# Altium PCB SS_Power-V3.0_2.PcbDoc
Units mil, origin at the board's own origin, x right, y up, seen from the top; angles counter-clockwise.
Board outline 1830.71 x 826.77 mil, 2 copper layers (Top Layer, Bottom Layer); 33 components, 40 nets, 144 pads, 118 vias.
Unrouted connection lines stored in the file: 3.
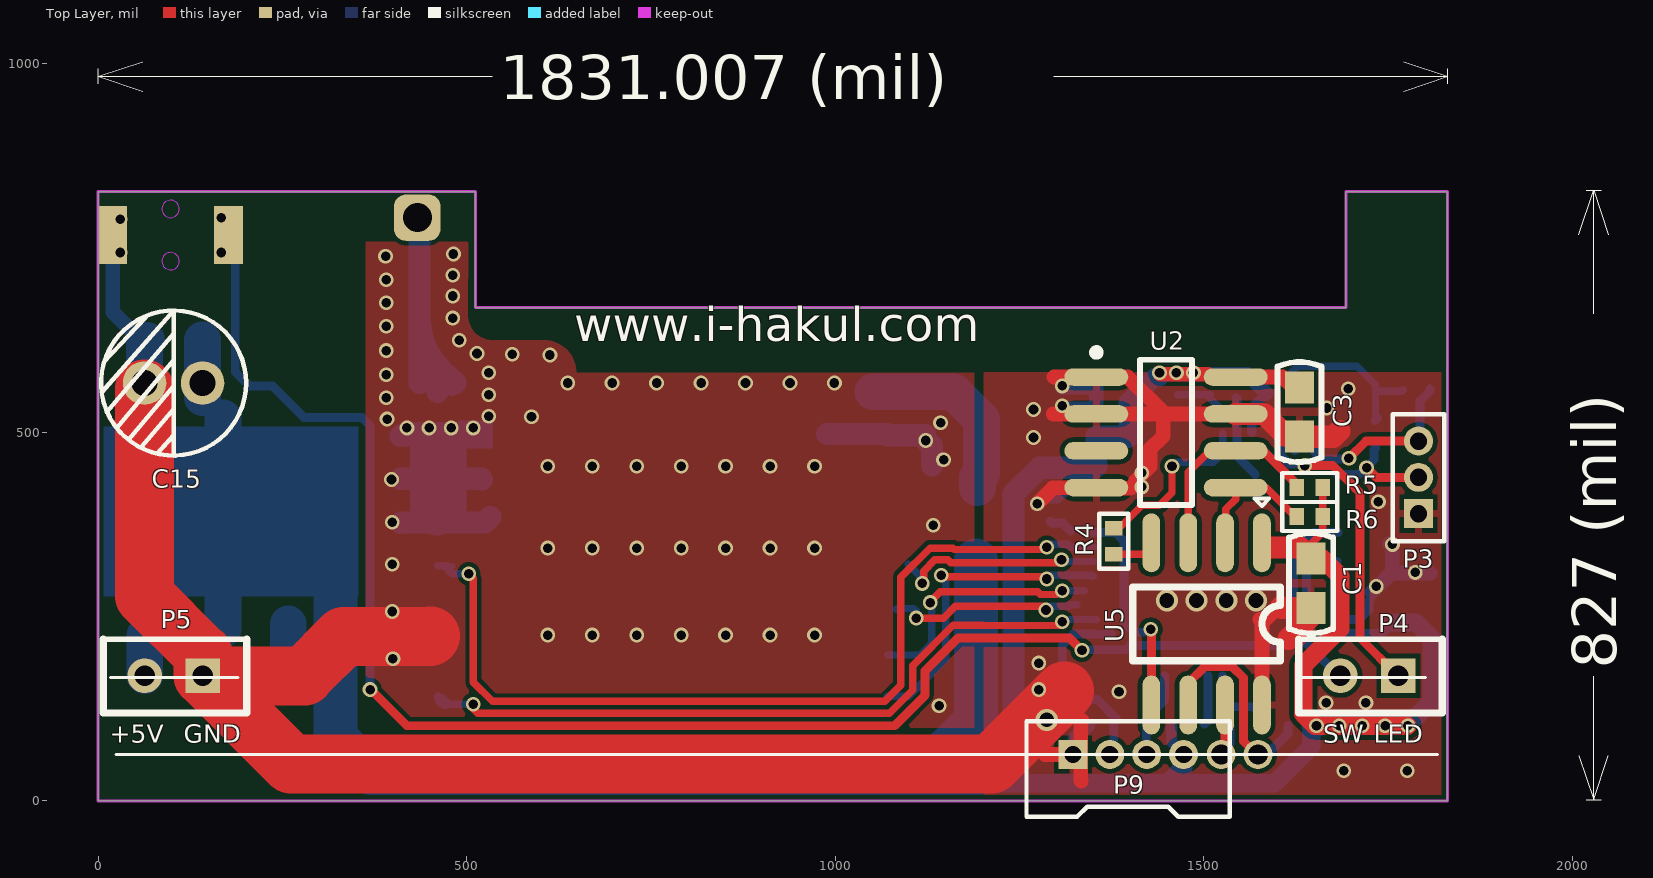
[diagram p0: Top Layer view]
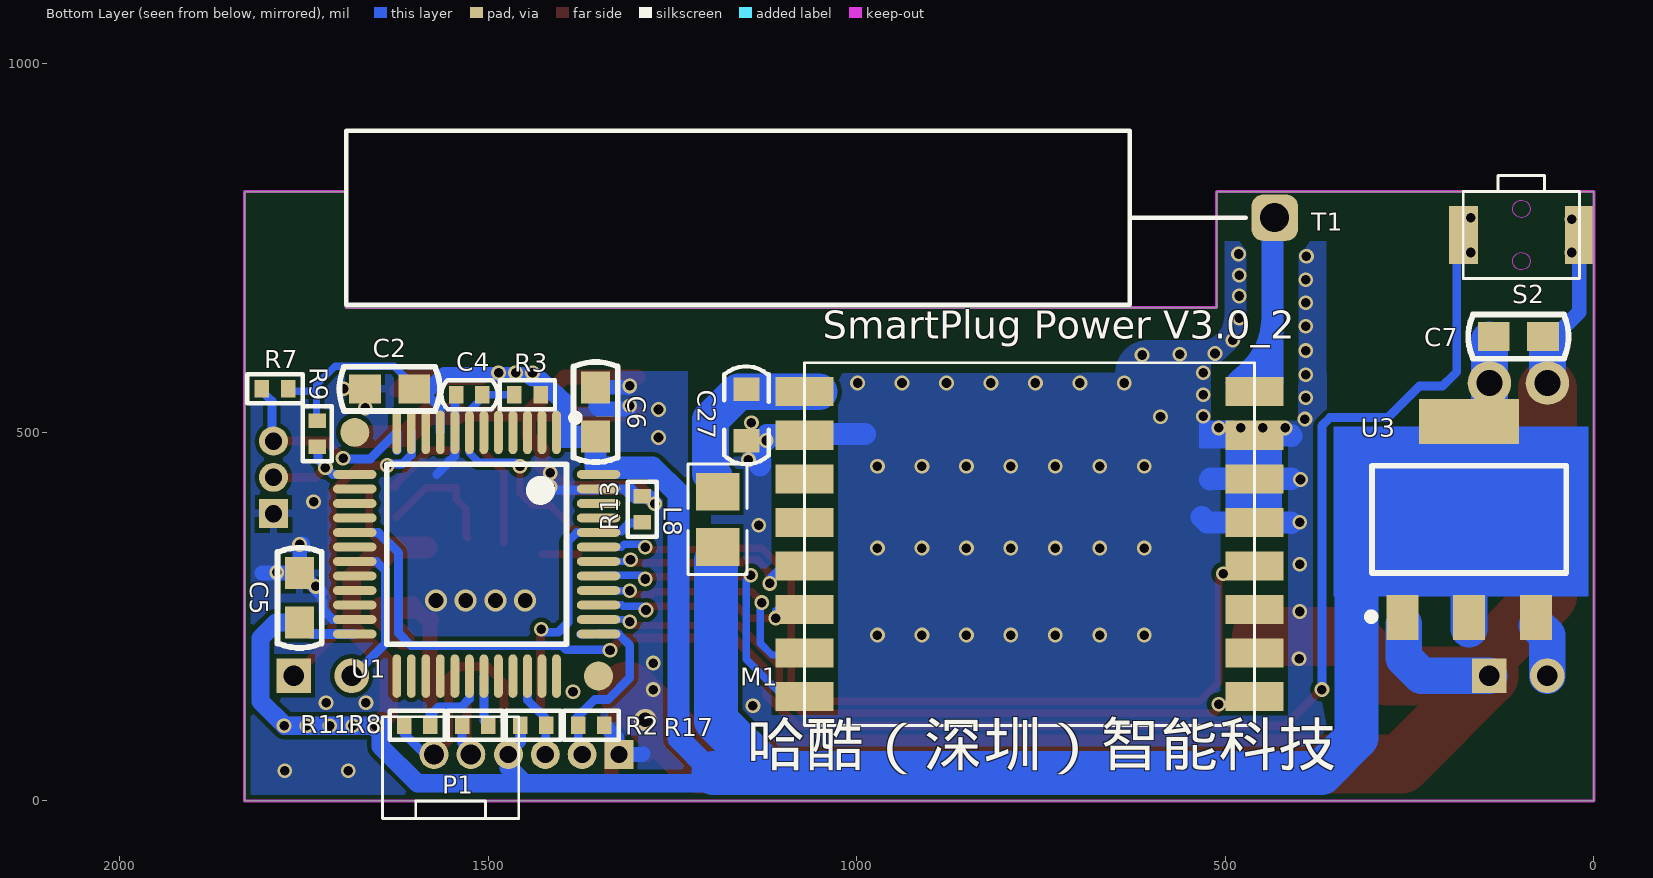
[diagram p1: Bottom Layer view, seen from below]

## Layer stack, top to bottom
Top Layer: signal copper 1.4
Dielectric: dielectric 12.6, FR-4, Dk 4.8
Bottom Layer: signal copper 1.4

## Board outline
0,0 0,826.77 511.81,826.77 511.81,669.29 1692.91,669.29 1692.91,826.77 1830.71,826.77 1830.71,0

## Design rules (kind name [scope] priority, off if disabled: settings)
Clearance [All] p1: gap=6
HoleToHoleClearance [All] p1: gap=6 allowstackedmicrovias=TRUE
MinimumSolderMaskSliver [All] p1: minsoldermaskwidth=6
PolygonConnect PolygonConnect_1 [IsVia] p1: connectstyle=Direct reliefconductorwidth=10 reliefentries=4 polygonreliefangle="90 Angle"
PolygonConnect [All] p2: connectstyle=Relief reliefconductorwidth=10 reliefentries=4 polygonreliefangle="90 Angle"
RoomDefinition SS_Power-V3.0 [InComponentClass('SS_Power-V3.0')] p1: confinementstyle=ConfineIn formatcopy=TRUE lockcomponents=FALSE outline -6927.36,-1275 -4927.36,-1275 -4927.36,-275 -6927.36,-275
RoutingVias [All] p1: holewidth=13 width=25 viastyle="Through Hole" minholewidth=13 minwidth=20 maxholewidth=28 maxwidth=50
SilkToSilkClearance [All] p1: silktosilkclearance=6
SilkscreenOverComponentPads SilkToSolderMaskClearance [IsPad] p1: minsilkscreentomaskgap=0
SolderMaskExpansion [All] p1: expansion=4
Width [All] p1: maxlimit=200 minlimit=10 preferedwidth=10
24 further rules are at their usual default settings.

## Components (designator, comment, footprint, x,y, rotation, side; value= is the part's Value field where it differs from the comment)
C1 "100nF" C-RAD-0603 1645.67,295.28 r90 top
C2 "100nF" C-RAD-0603 1633.86,559.06 r180 bottom
C3 "100nF" C-RAD-0603 1629.92,527.56 r270 top
C4 "1nF" C0402 1543.31,551.18 r180 bottom
C5 "100nF" C-RAD-0603 1755.91,275.59 r270 bottom
C6 "100nF" C-RAD-0603 1354.33,527.56 r270 bottom
C7 "100nF" C-RAD-0603 102.36,629.92 r0 bottom
C15 "470uF/25V" C-RB-5/2 102.36,566.93 r180 top
C27 "Comment" C0603 1149.61,523.62 r90 bottom
L8 "BLM21PG221SN1" 0805-1 1188.98,381.89 r90 bottom
M1 "Si4438" HPD01 460.63,102.36 r0 bottom locked
P1 "Header 2" hdr1.27x2_host 1523.62,62.99 r0 bottom
P3 "Header 3" HDR3X1/1.25 1791.34,389.76 r90 top
P4 "Header 2" HDR2X1_2.0 1763.78,169.29 r0 top
P5 "Header 2" HDR2X1_2.0 141.73,169.29 r0 top
P9 "Header 4" HDR4X1/1.25B2M 1397.64,62.99 r0 top
R2 "10K" R0402 1456.69,102.36 r180 bottom
R3 "10K/5%" R0402 1464.57,551.18 r180 bottom
R4 "10K" R0402 1377.95,334.65 r90 top (schematic designator R6)
R5 "10K" R0402 1625.98,425.2 r0 top
R6 "10K" R0402 1625.98,385.83 r0 top
R7 "10K" R0402 1771.65,559.06 r0 bottom
R8 "10K" R0402 1535.43,102.36 r180 bottom (schematic designator R6)
R9 "10K" R0402 1732.28,515.75 r270 bottom
R11 "10K" R0402 1614.17,102.36 r180 bottom (schematic designator R6)
R13 "10K/5%" R0402 1291.34,413.39 r270 bottom
R17 "10K" R0402 1377.95,102.36 r180 bottom
S2 "SW-PB" swich_micro 19.69,826.77 r0 bottom (schematic designator S1)
T1 "ANT" ANT470 433.07,791.34 r0 bottom
U1 "STM32F030C8T6" LQFP48_7X7X05P 1515.75,334.65 r270 bottom locked
U2 "AT24C512" SOIC8_N 1448.82,500 r0 top
U3 "ASM1117" SOT-223 169.29,381.89 r180 bottom
U5 "HC89F0411P" SO-8 1503.94,240.16 r270 top

## Footprints (in the part's own frame and the unit in brackets; to place one, negate y for a bottom-side part, rotate by r counter-clockwise, add the part's x,y. Pads: shape width x height; smd on the part's side, far side on the other; paste and mask are expansions set on the pad)
0805-1 [mm] "贴片带丝印"
  rect 1.3x1.5 smd: 1(-0.95,0) 2(0.95,0)
  silkscreen extent -1.91,-1.02 1.91,1.02, body extent -1.14,-0.51 1.14,0.51, height 1
ANT470 [mm]
  rrect50% 1.6x1.6 hole 1: 1(0,0)
  silkscreen extent 1,-3 32,3
C0402 [mm] "贴片电容"
  rect 0.5x0.6 smd: 1(0,0) 2(0.9,0)
  silkscreen extent -0.51,-0.5 1.43,0.5
C0603 [mm] "贴"
  rect 0.8x0.9 smd: 1(-0.889,0) 2(0.889,0)
  silkscreen extent -1.7,-0.76 1.67,0.76, body extent -0.75,-0.39 0.85,0.41, height 0.45
C-RAD-0603 [mm] "贴片电容"
  rect 1.1x1 smd: 1(-0.85,0) 2(0.85,0)
  silkscreen extent -1.73,-0.76 1.73,0.76, body extent -1.14,-0.38 1.14,0.38, height 1
C-RB-5/2 [mm] "插件电解电容"
  round 1.5 hole 0.9: 1(-1,0) 2(1,0)
  silkscreen extent -2.5,-2.5 2.5,2.5
hdr1.27x2_host [mm]
  round 1 hole 0.7: 1(0,0) 2(1.27,0)
  silkscreen extent -1.65,-1.3 3.05,2.2
HDR2X1_2.0 [mm]
  rect 1.2x1.2 hole 0.7: 1(0.006,0.012)
  round 1.2 hole 0.7: 2(-1.994,0.012)
  silkscreen extent -3.43,-1.27 1.52,1.27
HDR3X1/1.25 [mm]
  rect 1x1 hole 0.6: 1(0,0)
  round 1 hole 0.6: 2(1.25,0) 3(2.5,0)
  silkscreen extent -0.96,-0.89 3.43,0.89
HDR4X1/1.25B2M [mm]
  rect 1x1 hole 0.6: 1(-1.905,0)
  round 1 hole 0.6: 2(-0.635,0) 3(0.635,0) 4(1.905,0)
  silkscreen extent -3.51,-2.15 3.49,1.15
HPD01 [mm]
  rect 2x1 smd: 1(15.5,-11.5) 2(15.5,-10) 3(15.5,-8.5) 4(15.5,-7) 5(15.5,-5.5) 6(15.5,-4) 7(15.5,-2.5) 8(15.5,-1) 9(0,-1) 10(0,-2.5) 11(0,-4) 12(0,-5.5) 13(0,-7) 14(0,-8.5) 15(0,-10) 16(0,-11.5)
  silkscreen extent 0,-12.5 15.5,0
LQFP48_7X7X05P [mm]
  oval 1.5x0.3 smd: 1(-4.2,2.75) 2(-4.2,2.25) 3(-4.2,1.75) 4(-4.2,1.25) 5(-4.2,0.75) 6(-4.2,0.25) 7(-4.2,-0.25) 8(-4.2,-0.75) 9(-4.2,-1.25) 10(-4.2,-1.75) 11(-4.2,-2.25) 12(-4.2,-2.75) 25(4.2,-2.75) 26(4.2,-2.25) 27(4.2,-1.75) 28(4.2,-1.25) 29(4.2,-0.75) 30(4.2,-0.25) 31(4.2,0.25) 32(4.2,0.75) 33(4.2,1.25) 34(4.2,1.75) 35(4.2,2.25) 36(4.2,2.75)
  oval 0.3x1.5 smd: 13(-2.75,-4.2) 14(-2.25,-4.2) 15(-1.75,-4.2) 16(-1.25,-4.2) 17(-0.75,-4.2) 18(-0.25,-4.2) 19(0.25,-4.2) 20(0.75,-4.2) 21(1.25,-4.2) 22(1.75,-4.2) 23(2.25,-4.2) 24(2.75,-4.2) 37(2.75,4.2) 38(2.25,4.2) 39(1.75,4.2) 40(1.25,4.2) 41(0.75,4.2) 42(0.25,4.2) 43(-0.25,4.2) 44(-0.75,4.2) 45(-1.25,4.2) 46(-1.75,4.2) 47(-2.25,4.2) 48(-2.75,4.2)
  round 1 smd: 49(-4.2,-4.2) 50(4.2,4.2)
  silkscreen extent -4.82,-3.1 3.1,3.52
R0402 [mm]
  rect 0.5x0.6 smd: 1(0,0) 2(0.9,0)
  silkscreen extent -0.5,-0.5 1.4,0.5
SO-8 [mil]
  oval 80x24 smd: 1(-110,75) 2(-110,25) 3(-110,-25) 4(-110,-75) 5(110,-75) 6(110,-25) 7(110,25) 8(110,75)
  silkscreen extent -170,-100 50,100
SOIC8_N [mm] "8-Pin Small Outline Integrated Circuit Package (SOIC8), IPC Medium Density"
  oval 2.2x0.6 smd: 1(-2.4,1.905) 2(-2.4,0.635) 3(-2.4,-0.635) 4(-2.4,-1.905) 5(2.4,-1.905) 6(2.4,-0.635) 7(2.4,0.635) 8(2.4,1.905)
  silkscreen extent -2.52,-2.5 0.9,2.88, body extent -1.95,-2.45 1.95,2.45, height 1.75
SOT-223 [mm]
  rect 1.1x1.55 smd: 1(-2.3,-3.375) 2(0,-3.375) 3(2.3,-3.375)
  rect 3.45x1.55 smd: 4(0,3.375)
  silkscreen extent -3.5,-3.48 3.35,1.85, body extent -3.3,-3.94 3.3,3.43, height 0.8
swich_micro [mm]
  rect 1x2 all layers, no hole: 1(0,1.5) 2(4,1.5)
  Keep-Out Layer circle w0.025: c2,2.4 r0.3
  Keep-Out Layer circle w0.025: c2,0.6 r0.3
  silkscreen extent 0,-0.55 4,3

## Part data
C1 C2 C3 C4 C5 C6 C7: library part Cap, "无极性电容"
C15: library part CAP3, "电解电容"
L8: library part Inductor, "电感"
M1: library part SI4438-HPD07, "SI4438ģ"
P1 P3 P4 P5 P9: "接插件"
R2 R3 R4 R5 R6 R7 R8 R9 R13 R17: library part Res1, "电阻"
R11: library part Res1, "电"
S2: "微动开关"
T1: "470M弹簧天线"
U1: "MCU"
U2: library part AT24C02, "EEROM存储器"
U5: "芯圣8脚51单片机"

## Via types
v1: diameter 20, hole 13, Top Layer to Bottom Layer, 113 vias
v2: diameter 30, hole 20, Top Layer to Bottom Layer, 5 vias

## Nets (pads, with @x,y where several pads share a name; then routed paths per layer and width w, separated by ;. In a path a pad name is that pad's centre, name@x,y a point inside that pad or via, vN(x,y) a via of type N, cw(c..) or ccw(c..) an arc to the next point about the centre after c; other vN are vias at no path point)
1TOUCH: S2.2 U1.17 | length 2296.2
  Top Layer w12: v1@369.5,151.5 419,102 1080.67,102 1122,143.33 1122,176.33 1166.86,221.19 1192.77,221.19 1192.96,221 1317.11,221 1317.3,221.19 1317.81,221.19 v1@1334,205 ; v1@1334.1,205.1 v1(1334.82,204.38)
  Bottom Layer w12: S2.2@179,794 S2.2@181,792 ; S2.2@181,746 S2.2@181,767.72 ; S2.2@186,746 186,582 189.5,578.5 205,563 236.45,563 279.45,520 357.97,520 369,508.97 v1@369,156 ; v1@1335,204.38 v1(1334.82,204.38) v1@1335.44,205 ; v1@1335,205 v1@1335.44,205 ; U1.17@1679,364.17 U1.17 ; U1.17@1682,364 1649,364 1621.57,336.57 1621.57,227.57 1604.82,210.82 1400.06,210.82 1394.24,205 v1@1335.44,205
  other v1: 369,151 167,744 167,791
+3V3: C1.2 C2.2 C3.1 C5.2 C6.2 C7.2 C15.1 L8.1 P9.4 R2.1 R3.2 R5.2 R6.2 R7.1 R9.1 U1.1 U1.9 U1.24 U1.48 U2.8 U3.2 U5.1 | length 4643.6
  Top Layer w10: C1.2@1645,330 1647,332 1647,350 1661.42,364.42 R6.2 R5.2
  Top Layer w20: v1@1441,579 1505,579 1510,574 1567,574 U2.8@1568,575 ; U2.8 1607,575 C3.1@1625,557
  Top Layer w25: C1.2 1661.26,328.74 1685,305 1685,233.64 1635,183.64 1635,118 1651,102 v1(1653,102) v1(1684,102) v1(1715,102) v1(1746,102) v1@1776,102
  Top Layer w30: U5.1@1584,344 1630.41,344 C1.2
  Bottom Layer w10: C2.2@1610,572 1627.74,589.74 1708.03,589.74 1733,564.77 1733,563 1733,556 ; R9.1@1733,517 1733,556 ; R7.1@1771,558 1769,556 1733,556
  Bottom Layer w12: R9.1 R9.1@1736,519.46
  Bottom Layer w13: U1.9 1564.96,532.96 C2.2@1585,553 ; U1.24 1740.38,226.38 1756,242 C5.2@1757,243
  Bottom Layer w15: R2.1@1456,101 1456,79.63 P9.4
  Bottom Layer w20: 1397.09,499.91 1398,499 ; v1@1440,575 1440.99,578.99 1486,578.99 1559.78,578.99 ; 1564.96,574.04 1573,566 ; 1569.15,568.85 C2.2@1585,553
  Bottom Layer w25: 1208,24 1451,24 ; 1397.09,499.91 1397.09,541.09 1434,575 v1@1440,575 ; P9.4@1472,45 1451,24 ; v1@1645,102 v1(1653,102) ; v1@1653,103 v1(1653,102) ; v1@1658,102 v1@1656,102 ; C5.2@1752,242 1756,242 1788,242 1809,221 1809,135 1776,102 v1(1746,102) v1(1715,102) v1(1684,102) v1@1656,102 ; 1451,24 1586,24 1596,24 1646,74 1646,92 v1@1653,99 ; v1@1653,99 v1@1656,102 ; v1@1653,99 v1(1653,102) ; v1(1653,102) v1@1656,102
  Bottom Layer w30: 1199,42 1242,85 1242,417 1277,452 1319,452 1352,452 1354.33,454.33 C6.2 1397.09,494.09 1397.09,499.91
  Bottom Layer w50: C15.1@141.73,547.27 C7.2@141.73,625.27 ; U3.2@169.29,233.27 169.29,337 ; 169.29,439 169.29,519.71
  Bottom Layer w60: 322,323 322,85.97 370,37.97 1119.97,37.97 ; L8.1@1191,326 1191,109 1119.97,37.97 ; 1194.03,37.97 1119.97,37.97
  other v1: 1777,102 1440,581 1463,581 1486,581
+5VCC: P5.2 U3.3 | length 73.9
  Bottom Layer w50: P5.2 63.24,224.24 U3.3@77,238
BOOT: R13.2 U1.44 U5.5 | length 335.6
  Top Layer w12: v1(1428,233) 1429,232 1429,133 U5.5@1429,130.16
  Bottom Layer w12: R13.2@1292,379 1294,377 1308.87,377 ; 1308.87,376.44 1319.35,365.95 ; U1.44 1379.65,364.17 1391.92,351.9 1391.92,241.9 1401.41,232.41 1405,228.82 1423.82,228.82 v1(1428,233)
FSK_AD: U1.18
FSK_IO: U1.26
FSK_OUT: U1.16
G_LED: P4.1 U1.11 | length 432.9
  Top Layer w12: v1@1635,455 v1@1635,456 ; v1@1637,454 v1(1637,455) 1675,455 1706,424 1710,420 1712,418 1712,221 P4.1@1763,170 ; P4.1@1763.5,170.5 P4.1@1764,170
  Bottom Layer w12: U1.11 1604.33,469.21 1616.56,456.98 1635.02,456.98 v1(1637,455) v1@1638,454
GND: C1.1 C2.1 C3.2 C4.1 C5.1 C6.1 C7.1 C15.2 C27.1 M1.2 M1.13 M1.14 M1.15 P3.1 P5.1 P9.1 R13.1 R17.2 S2.1 U1.8 U1.23 U1.47 U2.1 U2.2 U2.4 U2.7 U3.1 U5.8 | length 4953.2
  Top Layer w20: v1(1274,403) 1293,422 ; 1283,65 1285.01,62.99 P9.1@1333.07,62.99 ; 1295,425 U2.4 ; 1296,525 U2.2 ; 1297,575 U2.1 1397,575 1445,527 1445,525 ; 1334,27 1333.07,27.93 P9.1@1333.07,62.99 ; 1335,109 1333.07,107.07 P9.1@1333.07,62.99 ; U2.4@1353,424 1400,424 1407,431 1407,433.7 1427,453.7 1427,477 1445,495 1445,525 ; U2.2@1359,525 1445,525 ; U2.7 1445,525 ; 1576,246 1578.94,243.06 U5.8 ; 1579,241 1599.81,261.81 1606.19,261.81
  Top Layer w30: U2.7 1582,525 1612,495 1631,495 C3.2@1631.91,494.09 ; 1605,263 1606.19,261.81 C1.1 1645.67,250.67 1615,220 ; C3.2 C3.2@1631.91,494.09 ; C3.2@1632,494 C3.2@1631.91,494.09 ; 1684,502 1676.09,494.09 C3.2@1631.91,494.09
  Top Layer w80: C15.2@62.99,559 62.99,278.01 141.98,199.02 ; P5.1@143,169 P5.1@143,169.75 ; 451,224 450,223 333,223 279.75,169.75 P5.1@143,169.75 ; 1311,149 1212,50 261.73,50 P5.1 ; P5.1 141.98,199.02 ; P5.1 P5.1@143,169.75 ; P5.1 P5.1@143,170.76 ; 141.98,199.02 143,198 P5.1@143,170.76 ; P5.1@143,169.75 P5.1@143,170.76
  Bottom Layer w12: 1314.23,423.23 U1.47 1351.62,422 1413,422 v1@1417,426 ; C4.1@1543.55,547 1544,547 C4.1@1545,546 ; U1.8@1545,477 C4.1@1545,546 ; 1570,443 1557,456 1557,456.11 1545.28,467.84 U1.8 1545.28,545.72 C4.1@1545,546 ; U1.23 1711.06,246.06 1724.22,259.22 1724.22,271.53 1727,274.31 1727,279
  Bottom Layer w20: S2.1@19.69,789 19.69,663.32 C7.1@62,621 ; v1@1275,405 1283.39,413.39 R13.1 1300.39,413.39 1308,421 1309,421 ; 1290,64 1291.01,62.99 P9.1 P9.1@1323,62.99 ; v1@1310,531 1310.75,531.75 1351,531.75 1354.33,535.08 C6.1 v1@1310.02,561.02 ; P9.1@1323,66 1325,68 1325,84.84 1333.07,92.91 R17.2 ; 1728,283 1732,287 1754.06,309.06 C5.1 ; v1@1752,349 1755.91,345.09 C5.1 ; 1807,309 1806.94,309.06 C5.1
  Bottom Layer w30: 410,377 410.95,377.95 M1.13 524.95,377.95 532,385 ; 410.01,437.01 M1.14 519.99,437.01 521,436 ; 410,495 411.06,496.06 M1.15 ; 989,498 1070.87,498 M1.2 v1@1122,496.06 ; v1@1122,491 1131.24,481.76 1131.24,455
  Bottom Layer w50: C15.2@62.99,570 62.99,621.99 C7.1@66,625 ; P5.1 233.75,169.75 258,194 U3.1@258,240 ; M1.13@460,385 ccw(c458.48,386.52) 460.63,386.52 M1.14 M1.15@460.63,485
  other v1: 1690,41 1776,41 1141,129 1666,133 1720,133 1385,148 1276,151 1276,187 400,193 610,225 670.33,225 730.67,225 791,225 851.33,225 911.67,225 972,225 399,257 1734,291 1787,310 399,321 610,343 670.33,343 730.67,343 791,343 851.33,343 911.67,343 972,343 1756,348 1133,374 399,378 1737,406 1416,426 398,436 1416,445 610,454 670.33,454 730.67,454 791,454 851.33,454 911.67,454 972,454 1147,463 1123,489 1269,493 419,506 449,506 479,506 509,506 1143,513 392,518 588,521 530,522 1269,531 1667,533 1308,536 391,547 530,551 1696,559 1308,563 637,567 697.33,567 757.67,567 818,567 878.33,567 938.67,567 999,567 391,578 530,581 613,605 562,606 514,607 391,611 490,625 391,644 481,655 391,676 481,685 391,707 481,713 390,739 482,742 30,744 30,789
  other v2: 1287,110 1450,272 1490.33,272 1530.67,272 1571,272
NetC24_2: 
NetC30_2: 
NetU4_16: 
NetU4_17: 
OB1_SW: P4.2 U1.19 | length 209
  Bottom Layer w12: U1.19 1651.8,324.8 1639.57,312.57 1639.57,213.43 P4.2@1682,171
  Bottom Layer w15: P4.2@1683.02,172.02 P4.2
PWM: U1.14
R\E\S\E\T\: C4.2 R3.1 R4.1 U1.7 U5.4 | length 308.5
  Top Layer w10: R4.1 1426.65,334.65 U5.4@1427,335 ; 1416,401 1440,401 1457,418 1457,430 v1(1457,454)
  Bottom Layer w10: v1(1457,454) 1462.47,459.47 1512.91,459.47 1526,472.56 U1.7@1526,499 ; R3.1 C4.2 C4.2@1508.82,551.18 ; C4.2@1505.85,549.15 U1.7@1525.59,529.41
RF: M1.16 T1.1 | length 416.1
  Bottom Layer w20: 440,681 440,730 ; M1.16@480,559 M1.16@483.99,562.99
  Bottom Layer w30: T1.1@433,784 T1.1@434,784 ; T1.1@434,789.8 T1.1@434,784 ; M1.16@436,567 436,656.42 ; 450,582 cw(c424.34,556.34) 460.63,556.34 M1.16 ; M1.16@485,567 479.71,572.29 ccw(c478,570.59) 478,573 465.29,585.71 cw(c536,656.42) 436,656.42 ; T1.1@434,784 436,784 436,656.42
RF1: 
RF2: 
RF3: 
RF4: 
RF5: 
RF6: 
RF7: 
RXD1: P1.1 R8.1 R8.2 U1.31 U5.7 | length 180.9
  Top Layer w12: P1.1@1523,63 1528.94,68.94 U5.7
  Bottom Layer w12: R8.2@1501,104 1505.91,108.91 U1.31 ; P1.1@1522,64 1535.43,77.43 R8.1
RXD2: P3.2 R9.2 U1.13 | length 150.8
  Top Layer w12: v1(1721,452) 1734.02,438.98 P3.2
  Bottom Layer w12: U1.13 1710.91,442.91 1731,463 1731,477 R9.2@1733,479
SCL: R5.1 U2.6 U5.3 | length 242.6
  Top Layer w10: U5.3 1478.94,445.94 U2.6@1508,475
  Top Layer w12: U2.6 1581,475 1627,429 R5.1@1627,426
SDA: R6.1 U2.5 U5.2 | length 172.6
  Top Layer w10: U5.2@1528,357 1530,359 1530,396 1543.31,409.31 U2.5 1585,425 R6.1@1625,385
SI4438_NIRQ: M1.5 U1.42 | length 284
  Top Layer w10: v1@1120,296 1120,311.7 1135.3,327 1152.7,327 1156.7,323 v1@1303,323
  Bottom Layer w10: M1.5@1099,321 1118,302 v1(1118,295) ; v1@1307,324.8 U1.42
  other v1: 1307,327
SI4438_SDN: M1.12 U1.43 | length 1257.7
  Top Layer w10: v1(503,308) 509,302 509,161 535,135 1067,135 1089,157 1089,303.33 1128.67,343 1159.33,343 1161.33,341 1253,341 ; 1271,341 1253,341 ; v1@1289,344 1286,341 1253,341
  Bottom Layer w10: M1.12 471.1,318.9 cw(c471.1,276) M1.12@480.04,317.96 ; M1.12@470,318 480,308 v1(503,308) ; v1(1287,344) 1286.96,343.96 1286.76,343.96 1286.7,344.02 1286.7,346.7 1288,348 1315.7,348 1319.7,344 U1.43@1334,344 ; U1.43@1334,344.49 U1.43
SI4438_SPI1_MISO: M1.7 U1.40 | length 340.7
  Top Layer w10: v1@1129,270 1142.65,283.65 1265,283.65 1274.65,283.65 1278.3,280 1301,280 v1@1307,286
  Bottom Layer w10: M1.7@1071,198 1115,198 1131,214 1131,268 1130,269 v1(1129,269) ; v1(1308,285) U1.40@1338,285
SI4438_SPI1_MOSI: M1.8 U1.41 | length 414.3
  Top Layer w10: v1@1146,304 v1@1284,304
  Bottom Layer w10: M1.8 1099.73,141.73 1150,192 1150,300 v1@1149,301 ; v1@1286,302 v1(1287,301) 1292,306 1321.67,306 U1.41@1349,306 ; U1.41@1349,305 1350.28,305 U1.41
  other v1: 1144,306
SI4438_SPI1_NSS: M1.9 U1.38 | length 989.9
  Top Layer w10: v1(509,131) 507,129 505,129 515,119 1073.63,119 1105,150.37 1105,183.37 1159.81,238.19 1199.81,238.19 1200,238 1304,238 v1@1309,243
  Bottom Layer w10: M1.9 ccw(c472.68,141.73) M1.9@472.68,129.69 ; M1.9@467,140 476,131 v1(509,131) ; v1@1309.04,246.04 U1.38@1350.39,246.04 ; U1.38@1354,246 U1.38@1353.96,246.04
  other v1: 1308,243
SI4438_SPI1_SCK: M1.6 U1.39 | length 264
  Top Layer w10: v1@1110,247 v1@1111,248 ; v1(1110,248) v1@1111,248 ; v1@1282,264 1163,264 1147,248 v1@1111,248
  Bottom Layer w10: M1.6@1083,260 1084,261 1107,261 1110,258 v1(1110,248) ; v1@1286,258 1292,264 1316.7,264 1318.7,266 U1.39@1328,266
  other v1: 1286,259
SWCLK: P9.2 R17.1 U1.37 | length 264.8
  Bottom Layer w12: U1.37 1323.38,226.38 1308,211 1308,166.88 1337.27,137.61 1355.39,137.61 1382,111 1378,107 R17.1@1378,103 ; U1.37@1357,226 U1.37@1375,226 ; P9.2@1370,60 1377.95,67.95 R17.1 ; P9.2@1383,66 P9.2@1384,65
SWDIO: P9.3 R2.2 U1.34 | length 115.6
  Bottom Layer w12: P9.3@1422,64 1422,112 1446.85,136.85 U1.34
SYNC_SG1: U1.21
TXD1: P1.2 R11.1 R11.2 U1.30 U5.6 | length 436.7
  Top Layer w12: U5.6@1478,131.09 U5.6 ; U5.6@1478.94,109.06 U5.6 ; P1.2@1575,60 1554,81 1554,167.04 1538.88,182.16 1501.16,182.16 1478.94,159.94 U5.6
  Bottom Layer w12: U1.30 1525.59,138.41 1536.24,127.76 1561,127.76 ; 1567,127.76 1561,127.76 ; P1.2@1574,66 1589,66 1614.17,91.17 R11.1 ; R11.2@1579,100 1580,101 1580,115 1567.24,127.76 1561,127.76
TXD2: P3.3 R7.2 U1.12 | length 300.8
  Top Layer w12: v1(1697,465) 1720.19,488.19 P3.3 1790.53,489 P3.3@1792,489
  Bottom Layer w12: U1.12@1624,497 U1.12 ; U1.12@1624.02,474.98 U1.12 1660.02,464 v1@1698,464 ; P3.3 1793.5,490.35 1793.5,542.5 R7.2@1807,556 ; R7.2@1807.09,556 R7.2
V_RF: C27.2 L8.2 M1.1 | length 257.4
  Bottom Layer w50: M1.1@1051,555 1160.53,555 1198.32,517.21 1198.32,443.85 1193,438.52 L8.2@1193,425
pads on no net: M1.3 M1.4 M1.10 M1.11 R4.2 U1.2 U1.3 U1.4 U1.5 U1.6 U1.10 U1.15 U1.20 U1.22 U1.25 U1.27 U1.28 U1.29 U1.32 U1.33 U1.35 U1.36 U1.45 U1.46 U1.49 U1.50 U2.3 U3.4
copper on no net: | length 50.7
  Top Layer w10: 1379,368 1383,368 1409,394 1416,401

## Polygon pours and split planes (outlines as drawn)
GND on Bottom Layer "Top Layer-No Net" (solid, remove dead copper, pour order 1001): 483,759 483,654 ccw(c532,654) 532,605 554,605 cw(c554,549) 610,549 682,549 ccw(c682,571) 704,571 ccw(c694,571) 694,581 649,581 ccw(c605,581) 605,625 534,625 cw(c534,658) 501,658 501,659 501,759
GND on Bottom Layer "Top Layer-No Net" (solid, remove dead copper, pour order 1000): 363,759 489,759 489,650 ccw(c525,650) 525,614 580,614 589,614 cw(c589,545) 658,545 cw(c657,545) 657,544 363,544
GND on Bottom Layer "Top Layer-No Net" (solid, remove dead copper, pour order 1001): 1855.42,582.99 1229.17,582.99 1229.17,278.99 1229.17,-17.01 1842.76,-17.01 1855.42,-17.01 1855.42,581.99
GND on Bottom Layer "Top Layer-No Net" (solid, remove dead copper, pour order 1000): 699.24,580 1197.24,580 1197.24,34 1197.24,21 352.24,21 362.24,21 362.24,583 362.24,580 699.24,580
GND on Bottom Layer "Top Layer-No Net" (solid, remove dead copper, pour order 1001): 570,617 570,515 368.05,515 363,515 363,617 570,617
GND on Top Layer "Top Layer-No Net" (solid, remove dead copper, pour order 1000): 1189,98 1189,581 410,581 363,581 363,191 363,99 1189,99
GND on Top Layer "Top Layer-No Net" (solid, remove dead copper, pour order 1003): 473.78,758.43 cw(c473.78,756.43) 475.78,756.43 475.78,572.43 cw(c476.78,572.43) 476.78,573.43 648.78,573.43 648.78,580.43 ccw(c603.78,580.43) 603.78,625.43 534.78,625.43 cw(c534.78,658.43) 501.78,658.43 501.78,757.43 ccw(c500.78,757.43) 500.78,758.43
GND on Top Layer "Top Layer-No Net" (solid, remove dead copper, pour order 1002): 363.37,556.74 363.37,758.47 473.71,758.47 489,758.47 489,542
GND on Top Layer "Top Layer-No Net" (solid, remove dead copper, pour order 1003): 1202.6,581.33 1858.6,581.33 1858.6,145.33 1858.6,-28.67 1201.6,-28.67 1201.6,582.33

## Keep-outs
Keep-Out Layer:
  lines w3.94: 511.81,669.29 1692.91,669.29 ; 511.81,670 511.81,826.77 0,826.77 0,0 1830.71,0 1830.71,826.77 1692.91,826.77 1692.91,670

## Other copper
Bottom Layer:
  rectangle net GND: 423,374 500,514
  rectangle net GND: 488,478 536,516
  rectangle net +3V3: 7,277 353,508
  pour cut-out: 553,516 397,516 397,605 553,605

## Silkscreen, mask and mechanical layers (free items; w line width, h text height)
Top Overlay:
  lines w1: 0.38,973 0.38,993 ; 60.38,963 0.38,983 ; 60.38,1003 0.38,983 ; 535,982.99 0.38,983 ; 1296.76,982.98 1831.39,982.98 ; 1771.39,962.98 1831.39,982.98 ; 1771.39,1002.98 1831.39,982.98 ; 1831.39,972.98 1831.39,992.98 ; 2009.01,61.42 2029.01,1.42 ; 2009.01,768.42 2029.01,828.42 ; 2019.01,1.42 2039.01,1.42 ; 2019.01,828.42 2039.01,828.42 ; 2029.01,169 2029.01,1.42 ; 2029.01,660.85 2029.01,828.42 ; 2049.01,61.42 2029.01,1.42 ; 2049.01,768.42 2029.01,828.42
  lines w3.94: 17,167.32 190,167.32 ; 24,62.99 1817,62.99 ; 1628,167.32 1801,167.32
  text "1831.007 (mil)" at 545,952 h60
  text "www.i-hakul.com" at 646,608 h80
  text "827 (mil)" at 2060,179 h60 r90
  text "+5V" at 16,79 h25
  text "GND" at 116,79 h25
  text "SW" at 1662,79 h25
  text "LED" at 1731,79 h25
Bottom Overlay:
  text "SmartPlug Power V3.0_2" at 1046,614 h65
  text "哈酷（深圳）智能科技" at 1149,29 h100